# KiCad board q2v2.kicad_pcb (continued)
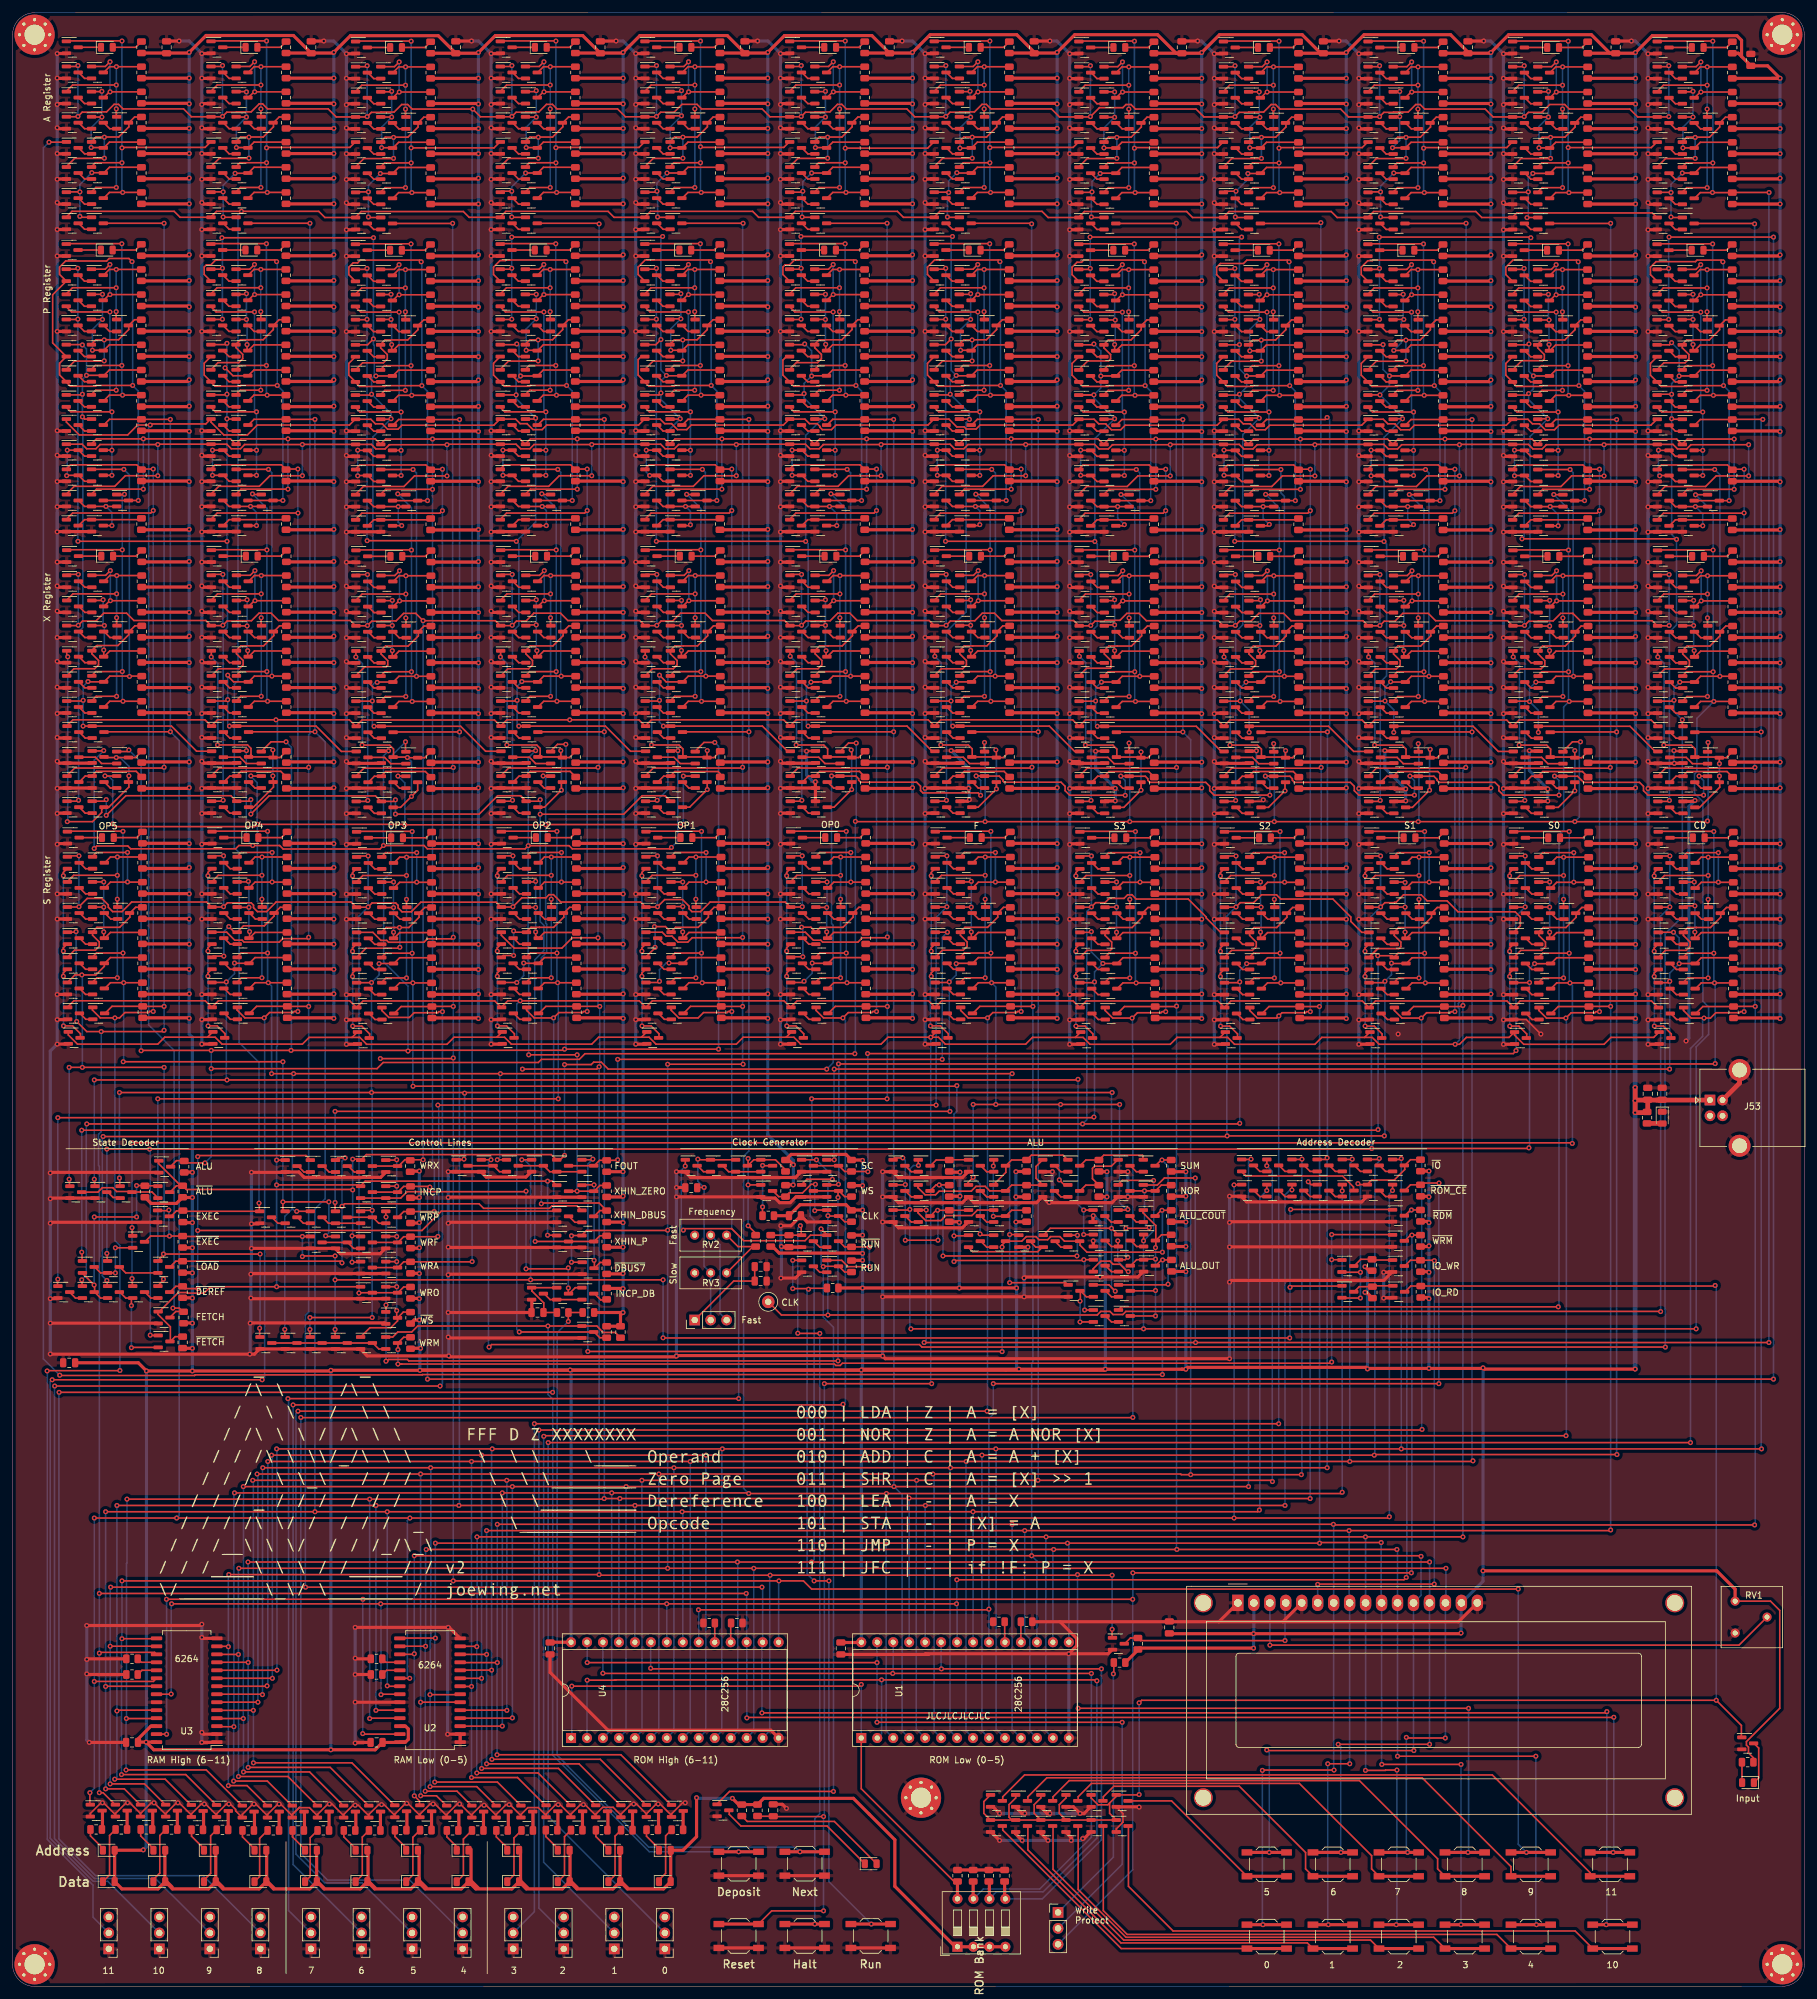
[diagram p0: board, top side]
## Routing (per net, layer and track width the routed paths; a pad name or vN(x,y) marks a point on that pad's centre or on a via; arc(x,y) is an arc through that point) (continued)
Net-(Q490-Pad2): length 2.4
  Top w0.25: 102.57,211.56 103.53,210.61 104.57,210.61
Net-(Q492-Pad2): length 2.4
  Top w0.25: 102.53,248.42 103.47,247.47 104.53,247.47
Net-(Q494-Pad2): length 11.9
  Top w0.25: 104.53,243.47 103.47,243.47 102.53,244.42 100.81,244.42 v1(100.8,244.43) ; 102.53,240.42 103.47,239.47 104.53,239.47 ; Q499.3 101.36,240.42 v1(101.34,240.4)
  Bottom w0.25: v1(101.34,240.4) 100.8,240.95 v1(100.8,244.43)
Net-(Q496-Pad2): length 11.1
  Top w0.25: 102.53,236.42 103.47,235.47 v1(107.04,235.47) 108.53,235.47 ; 106.53,232.42 107.69,232.42 v1(107.82,232.55)
  Bottom w0.25: 107.82,232.42 v1(107.82,232.55) 107.82,234.69 v1(107.04,235.47)
Net-(Q501-Pad1): length 10.2
  Top w0.25: 102.53,232.42 103.47,233.37 112.31,233.37
Net-(Q503-Pad1): length 39.6
  Top w0.25: 106.5,272.27 107.42,273.18 v1(108.52,273.18) R215.2 ; v1(108.5,253.97) 105.25,253.97 104.5,253.22 ; v1(108.5,266.47) 108.5,265.22 ; 100.5,269.22 101.56,270.27 v1(108.5,270.27)
  Bottom w0.25: v1(108.5,253.97) v1(108.5,266.47) v1(108.5,270.27) 108.5,273.17 v1(108.52,273.18)
Net-(Q503-Pad2): length 2.4
  Top w0.25: 102.5,252.27 103.46,251.32 104.5,251.32
Net-(Q504-Pad1): length 21.1
  Top w0.25: 106.5,260.27 107.42,261.18 R217.2 ; v1(106.3,269.33) 106.19,269.22 Q504.1 ; v1(104.7,260.32) 106.39,260.32 ; v1(106.3,265.33) 104.68,265.33
  Bottom w0.25: v1(104.7,260.32) 104.7,263.73 v1(106.3,265.33) v1(106.3,269.33)
Net-(Q504-Pad2): length 2.4
  Top w0.25: 102.5,268.27 103.46,267.32 104.5,267.32
Net-(Q504-Pad3): length 14.5
  Top w0.25: 106.5,268.27 107.42,269.18 v1(107.52,269.18) R212.2 ; v1(107.5,273.97) 106.75,273.22 104.5,273.22
  Bottom w0.25: v1(107.5,273.97) 107.5,269.19 v1(107.52,269.18)
Net-(Q508-Pad2): length 2.4
  Top w0.25: 102.5,256.27 103.46,255.32 104.5,255.32
Net-(Q509-Pad2): length 2.4
  Top w0.25: 102.5,272.27 103.46,271.32 104.5,271.32
Net-(Q510-Pad1): length 20.1
  Top w0.25: R216.2 111.42,265.18 110.5,264.27 110.5,263.62 108.88,261.99 106.63,261.99 ; 104.5,261.22 105.28,261.99 106.63,261.99 ; 106.63,261.99 v1(106.6,261.97) ; 100.5,257.22 101.88,258.59 106.57,258.59 v1(106.6,258.63)
  Bottom w0.25: v1(106.6,261.97) v1(106.6,258.63)
Net-(Q512-Pad2): length 2.4
  Top w0.25: 106.5,264.27 107.45,263.32 108.5,263.32
Net-(Q513-Pad2): length 2.4
  Top w0.25: 102.5,264.27 103.46,263.32 104.5,263.32
Net-(Q515-Pad2): length 2.4
  Top w0.25: 102.5,260.27 103.46,259.32 104.5,259.32
Net-(Q519-Pad1): length 39.6
  Top w0.25: 106.69,178.78 107.6,179.69 v1(108.7,179.69) R222.2 ; v1(108.69,160.48) 105.44,160.48 104.69,159.73 ; v1(108.69,172.98) 108.69,171.73 ; 100.69,175.73 101.74,176.78 v1(108.69,176.78)
  Bottom w0.25: v1(108.69,160.48) v1(108.69,172.98) v1(108.69,176.78) 108.69,179.68 v1(108.7,179.69)
Net-(Q519-Pad2): length 2.4
  Top w0.25: 102.69,158.78 103.64,157.83 104.69,157.83
Net-(Q520-Pad1): length 18.9
  Top w0.25: 106.69,166.78 107.6,167.69 R224.2 ; Q520.1 106.59,175.73 v1(106.6,175.73) ; v1(106.6,167.78) 106.6,166.81 ; v1(106.6,171.81) 104.83,171.81
  Bottom w0.25: v1(106.6,167.78) 106.6,167.79 v1(106.6,171.81) 106.6,171.82 v1(106.6,175.73)
Net-(Q520-Pad2): length 2.4
  Top w0.25: 102.69,174.78 103.64,173.83 104.69,173.83
Net-(Q520-Pad3): length 17.1
  Top w0.25: 106.69,174.78 107.6,175.69 110.25,175.69 ; 110.3,175.69 110.3,175.71 v1(110.31,175.72) 110.28,175.72 110.25,175.69 ; 110.3,175.69 R219.2 ; 110.3,175.69 110.25,175.69 ; 104.69,179.73 105.37,180.42 v1(110.31,180.42)
  Bottom w0.25: v1(110.31,175.72) v1(110.31,180.42)
Net-(Q524-Pad2): length 2.4
  Top w0.25: 102.69,162.78 103.64,161.83 104.69,161.83
Net-(Q525-Pad2): length 2.4
  Top w0.25: 102.69,178.78 103.64,177.83 104.69,177.83
Net-(Q526-Pad1): length 18.6
  Top w0.25: R223.2 111.6,171.69 110.69,170.78 110.69,170.13 109.06,168.51 105.46,168.51 104.69,167.73 ; 100.69,163.73 102.2,165.25 v1(102.2,165.33) ; v1(102.1,168.63) 103.85,168.63 Q531.1
  Bottom w0.25: v1(102.1,168.63) 102.2,168.53 v1(102.2,165.33)
Net-(Q528-Pad2): length 2.4
  Top w0.25: 106.69,170.78 107.63,169.83 108.69,169.83
Net-(Q529-Pad2): length 2.4
  Top w0.25: 102.69,170.78 103.64,169.83 104.69,169.83
Net-(Q531-Pad2): length 2.4
  Top w0.25: 102.69,166.78 103.64,165.83 104.69,165.83
Net-(Q533-Pad2): length 2.4
  Top w0.25: 125.75,154.82 126.7,153.87 127.75,153.87
Net-(Q535-Pad2): length 2.4
  Top w0.25: 125.55,280.52 126.5,279.57 127.55,279.57
Net-(Q537-Pad1): length 39.6
  Top w0.25: v1(131.55,298.72) 131.55,297.47 ; 123.55,301.47 124.6,302.52 v1(131.55,302.52) ; v1(131.55,286.22) 128.3,286.22 127.55,285.47 ; 129.55,304.52 130.46,305.43 v1(131.56,305.43) R231.2
  Bottom w0.25: v1(131.56,305.43) 131.55,305.42 v1(131.55,302.52) v1(131.55,298.72) v1(131.55,286.22)
Net-(Q537-Pad2): length 2.4
  Top w0.25: 125.55,284.52 126.5,283.57 127.55,283.57
Net-(Q538-Pad1): length 21.1
  Top w0.25: R233.2 130.46,293.43 129.55,292.52 ; v1(129.3,297.43) 127.66,297.43 ; v1(127.7,292.57) 129.44,292.57 ; Q538.1 129.25,301.47 v1(129.3,301.53)
  Bottom w0.25: v1(129.3,301.53) v1(129.3,297.43) 127.7,295.83 v1(127.7,292.57)
Net-(Q538-Pad2): length 2.4
  Top w0.25: 127.55,299.57 126.5,299.57 125.55,300.52
Net-(Q538-Pad3): length 14.5
  Top w0.25: R228.2 v1(130.56,301.43) 130.46,301.43 129.55,300.52 ; 127.55,305.47 129.8,305.47 v1(130.55,306.22)
  Bottom w0.25: v1(130.55,306.22) 130.55,301.45 v1(130.56,301.43)
Net-(Q542-Pad2): length 2.4
  Top w0.25: 125.55,288.52 126.5,287.57 127.55,287.57
Net-(Q543-Pad2): length 2.4
  Top w0.25: 125.55,304.52 126.5,303.57 127.55,303.57
Net-(Q544-Pad1): length 20.1
  Top w0.25: 129.68,294.25 128.33,294.25 127.55,293.47 ; 129.68,294.25 131.93,294.25 133.55,295.87 133.55,296.52 134.46,297.43 R232.2 ; 129.68,294.25 v1(129.65,294.22) ; v1(129.65,290.88) 129.61,290.85 124.92,290.85 123.55,289.47
  Bottom w0.25: v1(129.65,294.22) v1(129.65,290.88)
Net-(Q546-Pad2): length 2.4
  Top w0.25: 129.55,296.52 130.5,295.57 131.55,295.57
Net-(Q547-Pad2): length 2.4
  Top w0.25: 127.55,295.57 126.5,295.57 125.55,296.52
Net-(Q549-Pad2): length 2.4
  Top w0.25: 127.55,291.57 126.5,291.57 125.55,292.52
Net-(Q551-Pad2): length 2.3
  Top w0.25: 131.55,190.67 130.6,190.67 129.65,191.62
Net-(Q552-Pad2): length 2.4
  Top w0.25: 127.65,198.62 126.6,198.62 125.65,199.57
Net-(Q553-Pad2): length 2.4
  Top w0.25: 125.65,187.62 126.6,186.67 127.65,186.67
Net-(Q554-Pad2): length 6.4
  Top w0.25: 129.19,194.57 131.55,194.57 ; 125.65,195.57 128.23,195.57 129.23,194.57
Net-(Q556-Pad1): length 11
  Top w0.25: 125.65,191.62 126.6,192.57 127.65,192.57 128.4,193.32 134.71,193.32 R235.2
Net-(Q561-Pad1): length 39.6
  Top w0.25: v1(131.6,221.56) 124.65,221.56 123.6,220.51 ; 127.6,204.51 128.35,205.26 v1(131.6,205.26) ; R240.2 v1(131.61,224.47) 130.51,224.47 129.6,223.56 ; v1(131.6,217.76) 131.6,216.51
  Bottom w0.25: v1(131.6,205.26) v1(131.6,217.76) v1(131.6,221.56) 131.6,224.46 v1(131.61,224.47)
Net-(Q561-Pad2): length 2.4
  Top w0.25: 125.6,203.56 126.55,202.61 127.6,202.61
Net-(Q562-Pad1): length 18.6
  Top w0.25: R242.2 130.51,212.47 129.6,211.56 ; v1(129.3,220.63) 129.19,220.51 Q562.1 ; v1(129.3,216.56) 127.71,216.56 ; v1(129.4,212.53) 129.4,211.7
  Bottom w0.25: v1(129.3,220.63) v1(129.3,216.56) 129.3,212.63 v1(129.4,212.53)
Net-(Q562-Pad2): length 2.4
  Top w0.25: 127.6,218.61 126.55,218.61 125.6,219.56
Net-(Q562-Pad3): length 14.5
  Top w0.25: R237.2 v1(130.61,220.47) 130.51,220.47 129.6,219.56 ; 127.6,224.51 129.85,224.51 v1(130.6,225.26)
  Bottom w0.25: v1(130.6,225.26) 130.6,220.49 v1(130.61,220.47)
Net-(Q566-Pad2): length 2.4
  Top w0.25: 127.6,206.61 126.55,206.61 125.6,207.56
Net-(Q567-Pad2): length 2.4
  Top w0.25: 127.6,222.61 126.55,222.61 125.6,223.56
Net-(Q568-Pad1): length 18.5
  Top w0.25: 129.73,213.29 128.38,213.29 127.6,212.51 ; 129.73,213.29 131.97,213.29 133.6,214.91 133.6,215.56 134.51,216.47 R241.2 ; 129.73,213.29 129.7,213.26 ; Q573.1 127.66,212.03 128.73,210.96 128.73,210.26 128.11,209.65 124.8,209.65 Q568.1
Net-(Q570-Pad2): length 2.4
  Top w0.25: 131.6,214.61 130.55,214.61 129.6,215.56
Net-(Q571-Pad2): length 2.4
  Top w0.25: 127.6,214.61 126.55,214.61 125.6,215.56
Net-(Q573-Pad2): length 2.4
  Top w0.25: 125.6,211.56 126.55,210.61 127.6,210.61
Net-(Q575-Pad2): length 2.4
  Top w0.25: 127.55,247.47 126.5,247.47 125.55,248.42
Net-(Q577-Pad2): length 11.8
  Top w0.25: 127.55,243.47 126.5,243.47 125.55,244.42 124,244.42 v1(124,244.43) ; 127.55,239.47 126.5,239.47 125.55,240.42 ; Q582.3 124,240.42 v1(124,240.43)
  Bottom w0.25: v1(124,240.43) v1(124,244.43)
Net-(Q579-Pad2): length 11.5
  Top w0.25: 125.55,236.42 126.5,235.47 v1(129.94,235.47) 131.55,235.47 ; 129.55,232.42 131.09,232.42 v1(131.1,232.43)
  Bottom w0.25: v1(129.94,235.47) 131.1,234.32 v1(131.1,232.43)
Net-(Q584-Pad1): length 10.2
  Top w0.25: 135.34,233.37 126.5,233.37 125.55,232.42
Net-(Q586-Pad1): length 39.6
  Top w0.25: v1(131.53,270.27) 124.58,270.27 123.53,269.22 ; R249.2 v1(131.54,273.18) 130.44,273.18 129.53,272.27 ; v1(131.53,253.97) 128.28,253.97 127.53,253.22 ; v1(131.53,266.47) 131.53,265.22
  Bottom w0.25: v1(131.54,273.18) 131.53,273.17 v1(131.53,270.27) v1(131.53,266.47) v1(131.53,253.97)
Net-(Q586-Pad2): length 2.4
  Top w0.25: 127.53,251.32 126.48,251.32 125.53,252.27
Net-(Q587-Pad1): length 18.6
  Top w0.25: R251.2 130.44,261.18 129.53,260.27 ; Q587.1 129.29,269.22 v1(129.3,269.23) ; v1(129.3,265.23) 127.6,265.23 ; v1(129.34,261.27) 129.34,260.39
  Bottom w0.25: v1(129.3,269.23) v1(129.3,265.23) 129.3,261.31 v1(129.34,261.27)
Net-(Q587-Pad2): length 2.4
  Top w0.25: 127.53,267.32 126.48,267.32 125.53,268.27
Net-(Q587-Pad3): length 14.5
  Top w0.25: 129.53,268.27 130.44,269.18 v1(130.54,269.18) R246.2 ; v1(130.53,273.97) 129.78,273.22 127.53,273.22
  Bottom w0.25: v1(130.53,273.97) 130.53,269.19 v1(130.54,269.18)
Net-(Q591-Pad2): length 2.4
  Top w0.25: 125.53,256.27 126.48,255.32 127.53,255.32
Net-(Q592-Pad2): length 2.4
  Top w0.25: 127.53,271.32 126.48,271.32 125.53,272.27
Net-(Q593-Pad1): length 18.9
  Top w0.25: R250.2 134.44,265.18 133.53,264.27 133.53,263.62 131.91,261.99 128.31,261.99 127.53,261.22 ; 123.53,257.22 124.9,258.59 ; Q598.1 127.59,260.73 128.66,259.67 128.66,258.97 128.04,258.35 124.67,258.35
Net-(Q595-Pad2): length 2.4
  Top w0.25: 131.53,263.32 130.48,263.32 129.53,264.27
Net-(Q596-Pad2): length 2.4
  Top w0.25: 127.53,263.32 126.48,263.32 125.53,264.27
Net-(Q598-Pad2): length 2.4
  Top w0.25: 127.53,259.32 126.48,259.32 125.53,260.27
Net-(Q601-Pad2): length 2.4
  Top w0.25: 219.45,129.68 218.4,129.68 217.45,130.63
Net-(Q602-Pad1): length 39.6
  Top w0.25: 127.71,159.73 128.46,160.48 v1(131.71,160.48) ; v1(131.71,176.78) 124.76,176.78 123.71,175.73 ; R256.2 v1(131.72,179.69) 130.62,179.69 129.71,178.78 ; v1(131.71,172.98) 131.71,171.73
  Bottom w0.25: v1(131.72,179.69) 131.71,179.68 v1(131.71,176.78) v1(131.71,172.98) v1(131.71,160.48)
Net-(Q602-Pad2): length 2.4
  Top w0.25: 125.71,158.78 126.66,157.83 127.71,157.83
Net-(Q603-Pad1): length 18.6
  Top w0.25: 129.71,166.78 130.62,167.69 R258.2 ; v1(129.5,167.78) 129.5,166.93 ; v1(129.55,175.73) 129.54,175.73 Q603.1 ; v1(129.5,171.68) 127.82,171.68
  Bottom w0.25: v1(129.55,175.73) 129.55,171.73 v1(129.5,171.68) v1(129.5,167.78)
Net-(Q603-Pad2): length 2.4
  Top w0.25: 125.71,174.78 126.66,173.83 127.71,173.83
Net-(Q603-Pad3): length 17.1
  Top w0.25: v1(133.34,180.42) 128.4,180.42 127.71,179.73 ; 133.32,175.69 133.28,175.69 ; 133.32,175.69 133.32,175.71 v1(133.34,175.72) 133.31,175.72 133.28,175.69 ; 133.32,175.69 R253.2 ; 133.28,175.69 130.62,175.69 129.71,174.78
  Bottom w0.25: v1(133.34,175.72) v1(133.34,180.42)
Net-(Q607-Pad2): length 2.4
  Top w0.25: 127.71,161.83 126.66,161.83 125.71,162.78
Net-(Q608-Pad2): length 2.4
  Top w0.25: 125.71,178.78 126.66,177.83 127.71,177.83
Net-(Q609-Pad1): length 19.2
  Top w0.25: R257.2 134.62,171.69 133.71,170.78 133.71,170.13 132.09,168.51 128.49,168.51 127.71,167.73 ; v1(125.7,163.83) 123.87,163.83 ; v1(125.5,168.53) 126.98,168.53 Q614.1
  Bottom w0.25: v1(125.7,163.83) 125.7,168.33 v1(125.5,168.53)
Net-(Q611-Pad2): length 2.4
  Top w0.25: 131.71,169.83 130.66,169.83 129.71,170.78
Net-(Q612-Pad2): length 2.4
  Top w0.25: 125.71,170.78 126.66,169.83 127.71,169.83
Net-(Q614-Pad2): length 2.4
  Top w0.25: 127.71,165.83 126.66,165.83 125.71,166.78
Net-(Q616-Pad2): length 2.4
  Top w0.25: 148.75,154.82 149.7,153.87 150.75,153.87
Net-(Q618-Pad2): length 2.4
  Top w0.25: 150.55,279.57 149.5,279.57 148.55,280.52
Net-(Q620-Pad1): length 39.6
  Top w0.25: R265.2 v1(154.56,305.43) 153.46,305.43 152.55,304.52 ; 150.55,285.47 151.3,286.22 v1(154.55,286.22) ; 146.55,301.47 147.6,302.52 v1(154.55,302.52) ; v1(154.55,298.72) 154.55,297.47
  Bottom w0.25: v1(154.55,286.22) v1(154.55,298.72) v1(154.55,302.52) 154.55,305.42 v1(154.56,305.43)
Net-(Q620-Pad2): length 2.4
  Top w0.25: 150.55,283.57 149.5,283.57 148.55,284.52
Net-(Q621-Pad1): length 21.4
  Top w0.25: R267.2 153.46,293.43 152.55,292.52 ; Q621.1 152.25,301.47 v1(152.3,301.53) ; v1(152.4,297.42) 150.66,297.42 ; v1(150.7,292.47) 152.44,292.47
  Bottom w0.25: v1(150.7,292.47) 150.7,295.72 v1(152.4,297.42) 152.3,297.52 v1(152.3,301.53)
Net-(Q621-Pad2): length 2.4
  Top w0.25: 148.55,300.52 149.5,299.57 150.55,299.57
Net-(Q621-Pad3): length 14.5
  Top w0.25: v1(153.55,306.22) 152.8,305.47 150.55,305.47 ; 152.55,300.52 153.46,301.43 v1(153.56,301.43) R262.2
  Bottom w0.25: v1(153.56,301.43) 153.55,301.45 v1(153.55,306.22)
Net-(Q625-Pad2): length 2.4
  Top w0.25: 150.55,287.57 149.5,287.57 148.55,288.52
Net-(Q626-Pad2): length 2.4
  Top w0.25: 150.55,303.57 149.5,303.57 148.55,304.52
Net-(Q627-Pad1): length 20.1
  Top w0.25: v1(152.65,290.88) 152.61,290.85 147.92,290.85 146.55,289.47 ; R266.2 157.46,297.43 156.55,296.52 156.55,295.87 154.93,294.25 152.68,294.25 ; 152.68,294.25 151.33,294.25 150.55,293.47 ; 152.68,294.25 v1(152.65,294.22)
  Bottom w0.25: v1(152.65,294.22) v1(152.65,290.88)
Net-(Q629-Pad2): length 2.4
  Top w0.25: 154.55,295.57 153.5,295.57 152.55,296.52
Net-(Q630-Pad2): length 2.4
  Top w0.25: 148.55,296.52 149.5,295.57 150.55,295.57
Net-(Q632-Pad2): length 2.4
  Top w0.25: 148.55,292.52 149.5,291.57 150.55,291.57
Net-(Q634-Pad2): length 2.3
  Top w0.25: 154.55,190.67 153.6,190.67 152.65,191.62
Net-(Q635-Pad2): length 2.4
  Top w0.25: 150.65,198.62 149.6,198.62 148.65,199.57
Net-(Q636-Pad2): length 2.4
  Top w0.25: 150.65,186.67 149.6,186.67 148.65,187.62
Net-(Q637-Pad2): length 6.4
  Top w0.25: 152.22,194.57 151.22,195.57 148.65,195.57 ; 152.19,194.57 154.55,194.57
Net-(Q639-Pad1): length 11
  Top w0.25: 148.65,191.62 149.6,192.57 150.65,192.57 151.4,193.32 157.71,193.32 R269.2
Net-(Q644-Pad1): length 39.6
  Top w0.25: v1(154.6,217.76) 154.6,216.51 ; 152.6,223.56 153.51,224.47 v1(154.61,224.47) R274.2 ; 150.6,204.51 151.35,205.26 v1(154.6,205.26) ; 146.6,220.51 147.65,221.56 v1(154.6,221.56)
  Bottom w0.25: v1(154.61,224.47) 154.6,224.46 v1(154.6,221.56) v1(154.6,217.76) v1(154.6,205.26)
Net-(Q644-Pad2): length 2.4
  Top w0.25: 150.6,202.61 149.55,202.61 148.6,203.56
Net-(Q645-Pad1): length 18.8
  Top w0.25: R276.2 153.51,212.47 152.6,211.56 ; Q645.1 152.28,220.51 v1(152.4,220.63) ; v1(152.4,212.56) 152.4,211.7 ; v1(152.4,216.56) 150.71,216.56
  Bottom w0.25: v1(152.4,212.56) v1(152.4,216.56) v1(152.4,220.63)
Net-(Q645-Pad2): length 2.4
  Top w0.25: 150.6,218.61 149.55,218.61 148.6,219.56
Net-(Q645-Pad3): length 14.5
  Top w0.25: 150.6,224.51 152.85,224.51 v1(153.6,225.26) ; 152.6,219.56 153.51,220.47 v1(153.61,220.47) R271.2
  Bottom w0.25: v1(153.61,220.47) 153.6,220.49 v1(153.6,225.26)
Net-(Q649-Pad2): length 2.4
  Top w0.25: 150.6,206.61 149.55,206.61 148.6,207.56
Net-(Q650-Pad2): length 2.4
  Top w0.25: 148.6,223.56 149.55,222.61 150.6,222.61
Net-(Q651-Pad1): length 18.6
  Top w0.25: R275.2 157.51,216.47 156.6,215.56 156.6,214.91 154.97,213.29 152.73,213.29 ; 150.6,212.51 151.38,213.29 152.73,213.29 ; 152.73,213.29 152.7,213.26 ; Q656.1 150.66,212.03 151.73,210.96 151.73,210.25 151.12,209.65 147.74,209.65 146.6,208.51
Net-(Q653-Pad2): length 2.4
  Top w0.25: 152.6,215.56 153.55,214.61 154.6,214.61
Net-(Q654-Pad2): length 2.4
  Top w0.25: 150.6,214.61 149.55,214.61 148.6,215.56
Net-(Q656-Pad2): length 2.4
  Top w0.25: 148.6,211.56 149.55,210.61 150.6,210.61
Net-(Q658-Pad2): length 2.4
  Top w0.25: 150.55,247.47 149.5,247.47 148.55,248.42
Net-(Q660-Pad2): length 12.7
  Top w0.25: 147.44,244.42 148.55,244.42 149.5,243.47 150.55,243.47 ; 148.55,240.42 149.5,239.47 150.55,239.47 ; v1(147.1,240.43) 147.1,240.42 Q665.3 ; Q664.3 147.1,244.42 v1(147.1,244.43)
  Bottom w0.25: v1(147.1,240.43) v1(147.1,244.43)
Net-(Q662-Pad2): length 11.1
  Top w0.25: 154.55,235.47 v1(153.16,235.47) 149.5,235.47 148.55,236.42 ; v1(153.85,232.58) 153.69,232.42 152.55,232.42
  Bottom w0.25: v1(153.16,235.47) 153.85,234.78 v1(153.85,232.58) 153.85,232.42
Net-(Q667-Pad1): length 10.2
  Top w0.25: 148.55,232.42 149.5,233.37 158.34,233.37
Net-(Q669-Pad1): length 39.6
  Top w0.25: 146.53,269.22 147.58,270.27 v1(154.53,270.27) ; v1(154.53,266.47) 154.53,265.22 ; R283.2 v1(154.54,273.18) 153.44,273.18 152.53,272.27 ; 150.53,253.22 151.28,253.97 v1(154.53,253.97)
  Bottom w0.25: v1(154.53,253.97) v1(154.53,266.47) v1(154.53,270.27) 154.53,273.17 v1(154.54,273.18)
Net-(Q669-Pad2): length 2.4
  Top w0.25: 148.53,252.27 149.48,251.32 150.53,251.32
Net-(Q670-Pad1): length 21.3
  Top w0.25: R285.2 153.44,261.18 152.53,260.27 ; v1(152.4,265.23) 150.6,265.23 ; Q670.1 152.29,269.22 v1(152.4,269.33) ; v1(150.8,260.32) 152.42,260.32
  Bottom w0.25: v1(150.8,260.32) 150.8,263.63 v1(152.4,265.23) v1(152.4,269.33)
Net-(Q670-Pad2): length 2.4
  Top w0.25: 148.53,268.27 149.48,267.32 150.53,267.32
Net-(Q670-Pad3): length 14.5
  Top w0.25: R280.2 v1(153.54,269.18) 153.44,269.18 152.53,268.27 ; 150.53,273.22 152.78,273.22 v1(153.53,273.97)
  Bottom w0.25: v1(153.54,269.18) 153.53,269.19 v1(153.53,273.97)
Net-(Q674-Pad2): length 2.4
  Top w0.25: 150.53,255.32 149.48,255.32 148.53,256.27
Net-(Q675-Pad2): length 2.4
  Top w0.25: 150.53,271.32 149.48,271.32 148.53,272.27
Net-(Q676-Pad1): length 20.1
  Top w0.25: 146.53,257.22 147.9,258.59 152.59,258.59 v1(152.63,258.63) ; 152.66,261.99 v1(152.63,261.97) ; 152.66,261.99 154.91,261.99 156.53,263.62 156.53,264.27 157.44,265.18 R284.2 ; 152.66,261.99 151.31,261.99 150.53,261.22
  Bottom w0.25: v1(152.63,261.97) v1(152.63,258.63)
Net-(Q678-Pad2): length 2.4
  Top w0.25: 154.53,263.32 153.48,263.32 152.53,264.27
Net-(Q679-Pad2): length 2.4
  Top w0.25: 150.53,263.32 149.48,263.32 148.53,264.27
Net-(Q681-Pad2): length 2.4
  Top w0.25: 150.53,259.32 149.48,259.32 148.53,260.27
Net-(Q683-Pad2): length 2.4
  Top w0.25: 215.45,129.68 214.4,129.68 213.45,130.63
Net-(Q684-Pad2): length 2.4
  Top w0.25: 209.45,130.63 210.4,129.68 211.45,129.68
Net-(Q685-Pad1): length 39.6
  Top w0.25: v1(154.71,176.78) 147.76,176.78 146.71,175.73 ; 152.71,178.78 153.62,179.69 v1(154.72,179.69) R290.2 ; v1(154.71,172.98) 154.71,171.73 ; 150.71,159.73 151.46,160.48 v1(154.71,160.48)
  Bottom w0.25: v1(154.71,160.48) v1(154.71,172.98) v1(154.71,176.78) 154.71,179.68 v1(154.72,179.69)
Net-(Q685-Pad2): length 2.4
  Top w0.25: 150.71,157.83 149.66,157.83 148.71,158.78
Net-(Q686-Pad1): length 18.8
  Top w0.25: 152.71,166.78 153.62,167.69 R292.2 ; Q686.1 152.41,175.73 v1(152.5,175.83) ; v1(152.5,171.73) 150.78,171.73 ; v1(152.5,167.78) 152.5,166.93
  Bottom w0.25: v1(152.5,167.78) v1(152.5,171.73) v1(152.5,175.83)
Net-(Q686-Pad2): length 2.4
  Top w0.25: 150.71,173.83 149.66,173.83 148.71,174.78
Net-(Q686-Pad3): length 17.1
  Top w0.25: 156.32,175.69 156.28,175.69 ; 156.32,175.69 R287.2 ; 156.32,175.69 156.32,175.71 v1(156.34,175.72) 156.31,175.72 156.28,175.69 ; 156.28,175.69 153.62,175.69 152.71,174.78 ; 150.71,179.73 151.4,180.42 v1(156.34,180.42)
  Bottom w0.25: v1(156.34,175.72) v1(156.34,180.42)
Net-(Q690-Pad2): length 2.4
  Top w0.25: 148.71,162.78 149.66,161.83 150.71,161.83
Net-(Q691-Pad2): length 2.4
  Top w0.25: 148.71,178.78 149.66,177.83 150.71,177.83
Net-(Q692-Pad1): length 18.5
  Top w0.25: 150.71,167.73 151.49,168.51 155.09,168.51 156.71,170.13 156.71,170.78 157.62,171.69 R291.2 ; Q692.1 147.91,164.87 151.22,164.87 151.84,165.48 151.84,166.18 150.77,167.25 Q697.1
Net-(Q694-Pad2): length 2.4
  Top w0.25: 154.71,169.83 153.66,169.83 152.71,170.78
Net-(Q695-Pad2): length 2.4
  Top w0.25: 150.71,169.83 149.66,169.83 148.71,170.78
Net-(Q697-Pad2): length 2.4
  Top w0.25: 148.71,166.78 149.66,165.83 150.71,165.83
Net-(Q699-Pad2): length 2.4
  Top w0.25: 171.75,154.8 172.7,153.85 173.75,153.85
Net-(Q701-Pad2): length 2.4
  Top w0.25: 173.55,279.55 172.5,279.55 171.55,280.5
Net-(Q703-Pad1): length 39.6
  Top w0.25: 175.55,304.5 176.46,305.41 v1(177.56,305.41) R299.2 ; 169.55,301.45 170.6,302.5 v1(177.55,302.5) ; v1(177.55,298.7) 177.55,297.45 ; v1(177.55,286.2) 174.3,286.2 173.55,285.45
  Bottom w0.25: v1(177.55,286.2) v1(177.55,298.7) v1(177.55,302.5) 177.55,305.4 v1(177.56,305.41)
Net-(Q703-Pad2): length 2.4
  Top w0.25: 171.55,284.5 172.5,283.55 173.55,283.55
Net-(Q704-Pad1): length 21.2
  Top w0.25: R301.2 176.46,293.41 175.55,292.5 ; v1(173.6,292.53) 175.46,292.53 ; v1(175.3,301.43) 175.28,301.45 Q704.1 ; v1(175.3,297.4) 173.66,297.4
  Bottom w0.25: v1(173.6,292.53) 173.6,295.7 v1(175.3,297.4) v1(175.3,301.43)
Net-(Q704-Pad2): length 2.4
  Top w0.25: 171.55,300.5 172.5,299.55 173.55,299.55
Net-(Q704-Pad3): length 14.5
  Top w0.25: 175.55,300.5 176.46,301.41 v1(176.56,301.41) R296.2 ; v1(176.55,306.2) 175.8,305.45 173.55,305.45
  Bottom w0.25: v1(176.55,306.2) 176.55,301.42 v1(176.56,301.41)
Net-(Q708-Pad2): length 2.4
  Top w0.25: 173.55,287.55 172.5,287.55 171.55,288.5
Net-(Q709-Pad2): length 2.4
  Top w0.25: 171.55,304.5 172.5,303.55 173.55,303.55
Net-(Q710-Pad1): length 20.1
  Top w0.25: 169.55,289.45 170.92,290.82 175.61,290.82 v1(175.65,290.86) ; 175.68,294.22 177.93,294.22 179.55,295.85 179.55,296.5 180.46,297.41 R300.2 ; 175.68,294.22 v1(175.65,294.2) ; 175.68,294.22 174.33,294.22 173.55,293.45
  Bottom w0.25: v1(175.65,294.2) v1(175.65,290.86)
Net-(Q712-Pad2): length 2.4
  Top w0.25: 175.55,296.5 176.5,295.55 177.55,295.55
Net-(Q713-Pad2): length 2.4
  Top w0.25: 173.55,295.55 172.5,295.55 171.55,296.5
Net-(Q715-Pad2): length 2.4
  Top w0.25: 171.55,292.5 172.5,291.55 173.55,291.55
Net-(Q717-Pad2): length 2.3
  Top w0.25: 177.55,190.65 176.6,190.65 175.65,191.6
Net-(Q718-Pad2): length 2.4
  Top w0.25: 171.65,199.55 172.6,198.6 173.65,198.6
Net-(Q719-Pad2): length 2.4
  Top w0.25: 171.65,187.6 172.6,186.65 173.65,186.65
Net-(Q720-Pad2): length 6.4
  Top w0.25: 171.65,195.55 174.22,195.55 175.22,194.55 ; 175.19,194.55 177.55,194.55
Net-(Q722-Pad1): length 11
  Top w0.25: 171.65,191.6 172.6,192.55 173.65,192.55 174.4,193.29 180.71,193.29 R303.2
Net-(Q727-Pad1): length 39.6
  Top w0.25: v1(177.6,221.54) 170.65,221.54 169.6,220.49 ; R308.2 v1(177.61,224.45) 176.51,224.45 175.6,223.54 ; 173.6,204.49 174.35,205.24 v1(177.6,205.24) ; v1(177.6,217.74) 177.6,216.49
  Bottom w0.25: v1(177.61,224.45) 177.6,224.44 v1(177.6,221.54) v1(177.6,217.74) v1(177.6,205.24)
Net-(Q727-Pad2): length 2.4
  Top w0.25: 171.6,203.54 172.55,202.59 173.6,202.59
Net-(Q728-Pad1): length 18.8
  Top w0.25: 175.6,211.54 176.51,212.45 R310.2 ; v1(175.3,212.54) 175.3,211.77 Q739.3 ; Q728.1 175.16,220.49 v1(175.3,220.63) ; v1(175.3,216.63) 173.8,216.63
  Bottom w0.25: v1(175.3,220.63) v1(175.3,216.63) v1(175.3,212.54)
Net-(Q728-Pad2): length 2.4
  Top w0.25: 171.6,219.54 172.55,218.59 173.6,218.59
Net-(Q728-Pad3): length 14.5
  Top w0.25: 173.6,224.49 175.85,224.49 v1(176.6,225.24) ; 175.6,219.54 176.51,220.45 v1(176.61,220.45) R305.2
  Bottom w0.25: v1(176.61,220.45) 176.6,220.46 v1(176.6,225.24)
Net-(Q732-Pad2): length 2.4
  Top w0.25: 173.6,206.59 172.55,206.59 171.6,207.54
Net-(Q733-Pad2): length 2.4
  Top w0.25: 173.6,222.59 172.55,222.59 171.6,223.54
Net-(Q734-Pad1): length 18.8
  Top w0.25: 175.73,213.26 174.38,213.26 173.6,212.49 ; 175.73,213.26 177.97,213.26 179.6,214.89 179.6,215.54 180.51,216.45 R309.2 ; 175.73,213.26 175.7,213.24 ; 169.6,208.49 170.84,209.73 174.6,209.73 174.73,209.85 174.73,210.94 173.66,212 Q739.1
Net-(Q736-Pad2): length 2.4
  Top w0.25: 175.6,215.54 176.55,214.59 177.6,214.59
Net-(Q737-Pad2): length 2.4
  Top w0.25: 171.6,215.54 172.55,214.59 173.6,214.59
Net-(Q739-Pad2): length 2.4
  Top w0.25: 171.6,211.54 172.55,210.59 173.6,210.59
Net-(Q741-Pad2): length 2.4
  Top w0.25: 171.55,248.4 172.5,247.45 173.55,247.45
Net-(Q743-Pad2): length 12
  Top w0.25: 171.55,240.4 172.5,239.45 173.55,239.45 ; 173.55,243.45 172.5,243.45 171.55,244.4 ; v1(169.9,240.43) 169.93,240.4 Q748.3 ; v1(169.9,244.43) 169.93,244.4 Q747.3
  Bottom w0.25: v1(169.9,244.43) v1(169.9,240.43)
Net-(Q745-Pad2): length 11.1
  Top w0.25: 177.55,235.45 v1(175.78,235.45) 172.5,235.45 171.55,236.4 ; Q750.3 176.67,232.4 v1(176.85,232.58)
  Bottom w0.25: v1(175.78,235.45) 175.78,233.65 v1(176.85,232.58)
Net-(Q750-Pad1): length 10.2
  Top w0.25: 181.34,233.35 172.5,233.35 171.55,232.4